# Altium PCB SysUprTestUUUp.PcbDoc (part 4 of 4)
Units mm, origin at the board's own origin, x right, y up, seen from the top; angles counter-clockwise.
Board outline 140.1 x 94.7 mm, 4 copper layers (Top Layer, Mid-Layer 1, Mid-Layer 2, Bottom Layer), stack 1.572 mm thick; 296 components, 295 nets, 1339 pads, 437 vias.
Unrouted connection lines stored in the file: 160.
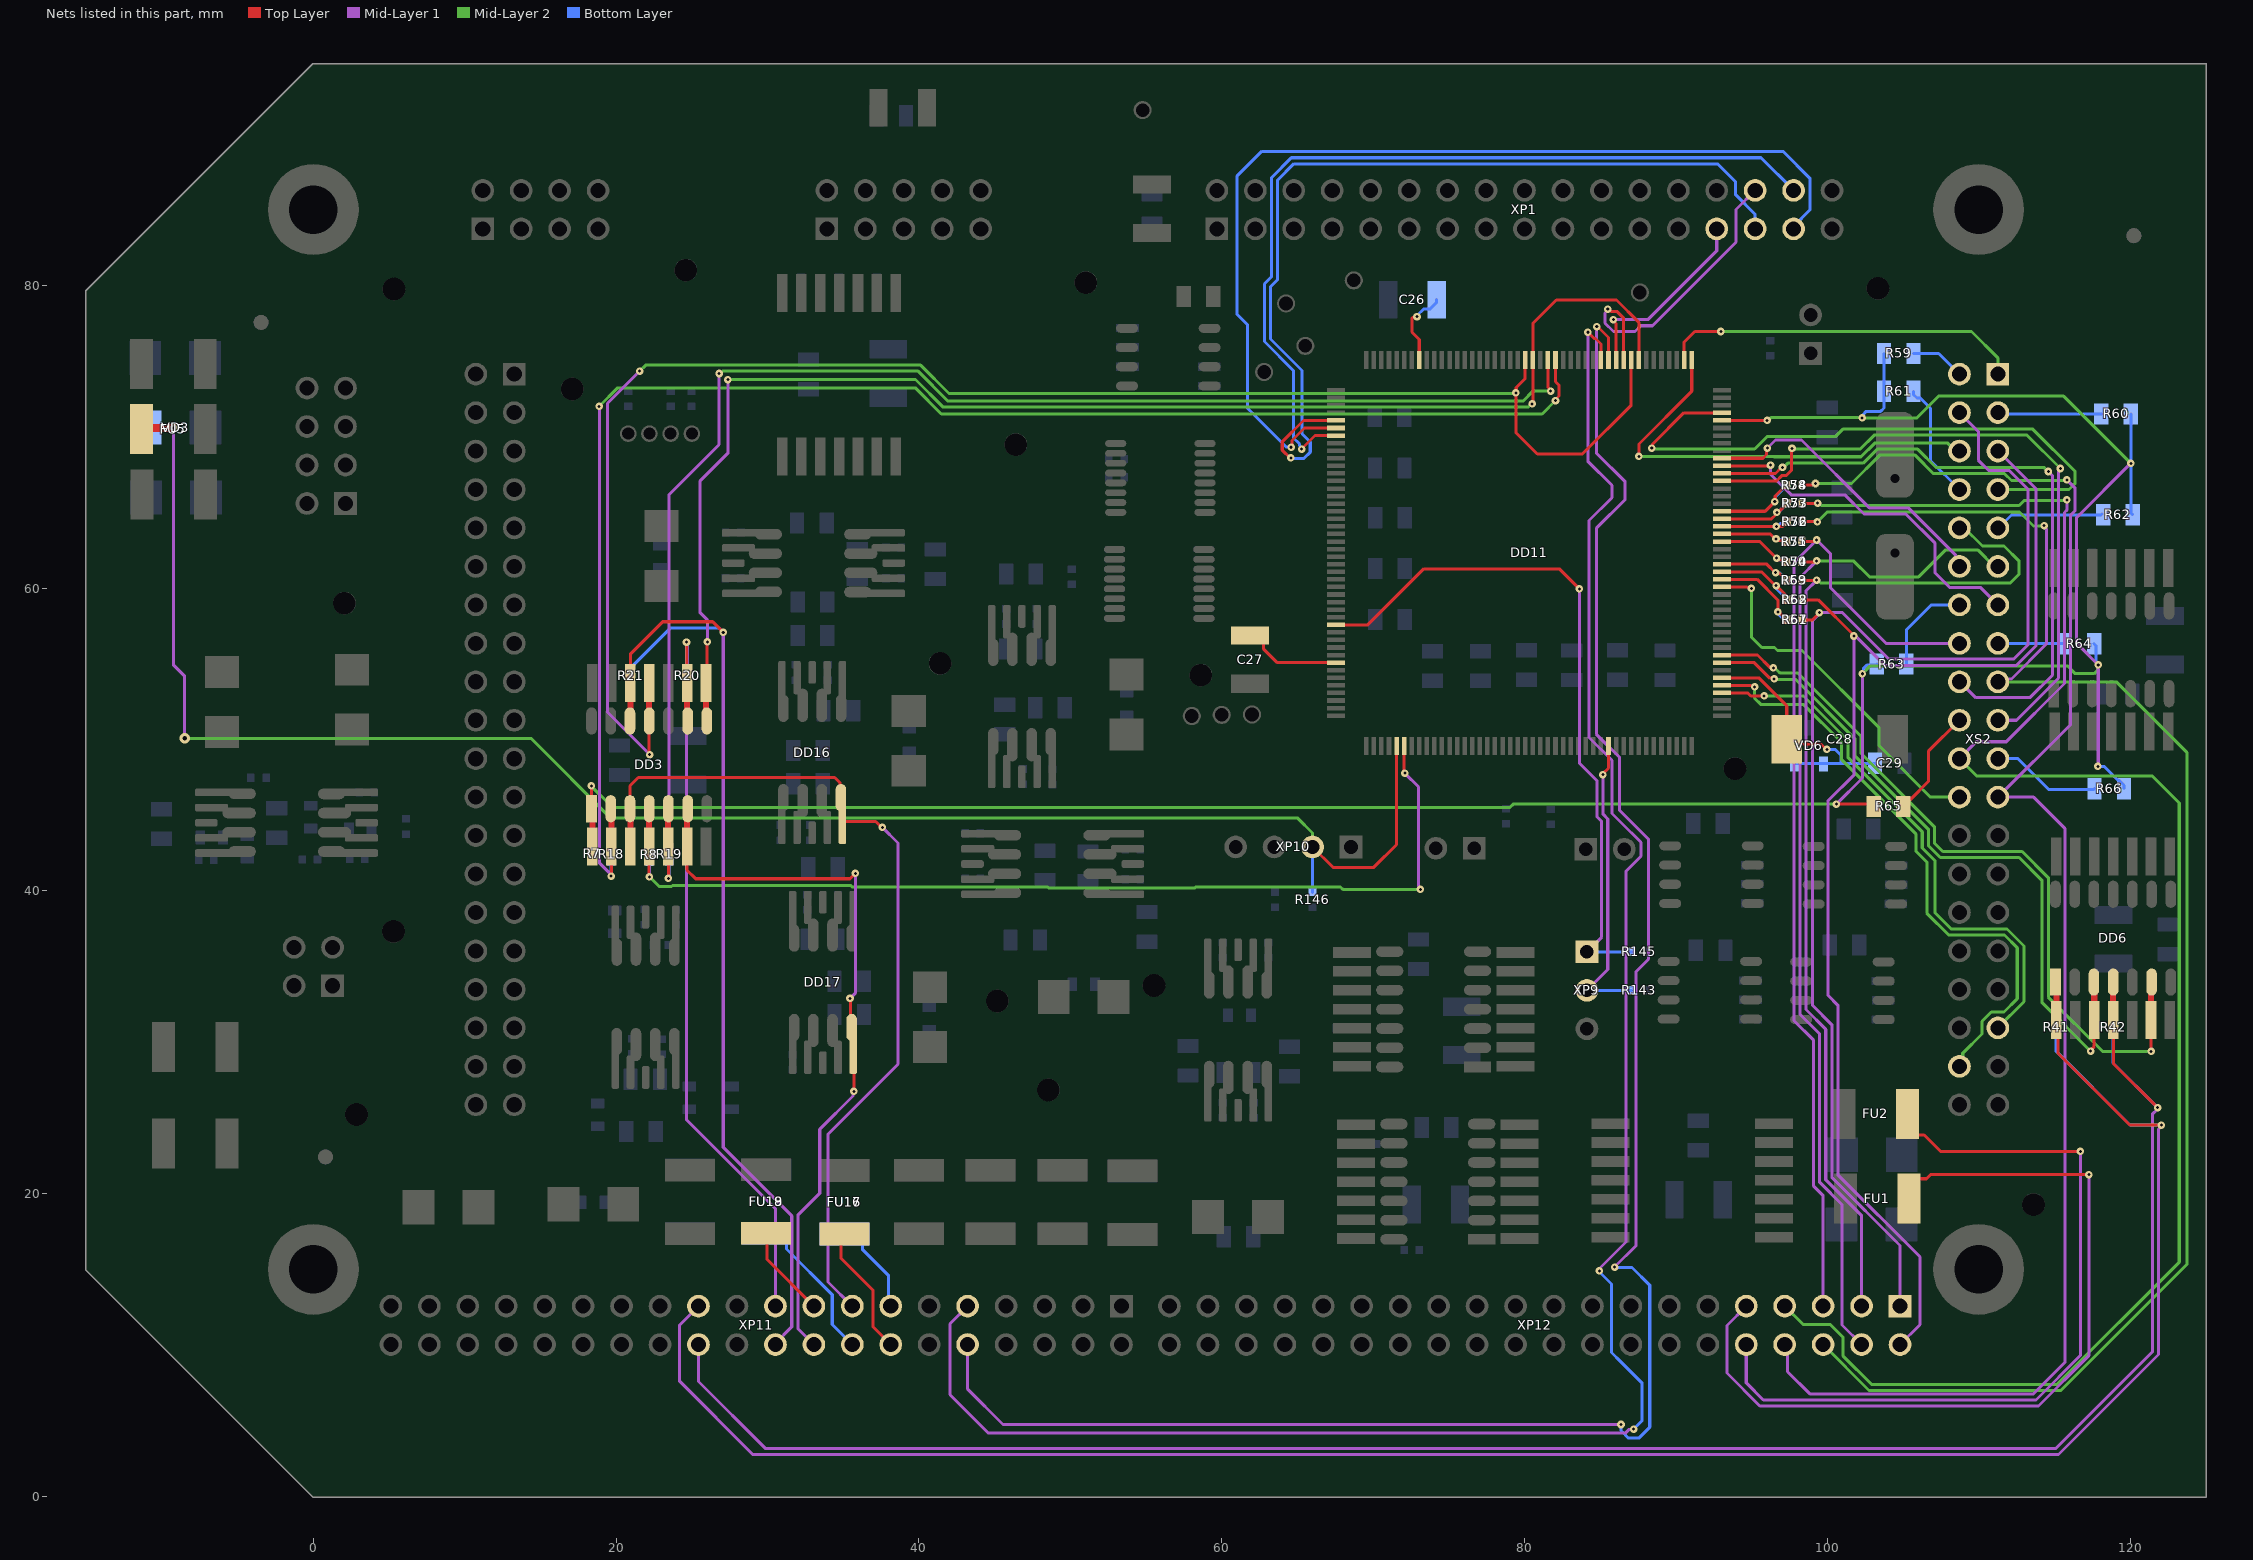
[diagram p6: the nets of this part, all layers, seen from the top]

## Via types
v1: diameter 0.5, hole 0.2, Top Layer to Bottom Layer, tented both sides, 406 vias
v2: diameter 0.7, hole 0.3, Top Layer to Bottom Layer, tented both sides, 27 vias
v3: diameter 1.1, hole 0.5, Top Layer to Bottom Layer, tented both sides, 4 vias

## Nets (pads, with @x,y where several pads share a name; then routed paths per layer and width w, separated by ;. In a path a pad name is that pad's centre, name@x,y a point inside that pad or via, vN(x,y) a via of type N, cw(c..) or ccw(c..) an arc to the next point about the centre after c; other vN are vias at no path point) (continued)
STCP_CS1: DD11.4 XS2.35 | length 36.3
  Top Layer w0.2: DD11.4@93.05,53.075 94.75,53.075 94.95,52.875 v1(95.826,52.875)
  Mid-Layer 2 w0.2: v1(95.826,52.875) 98.437,52.875 101.344,49.969 101.344,49.963 101.385,49.921 101.385,48.793 106.275,43.903 106.275,42.825 107.125,41.975 107.125,38.541 108.186,37.48 111.871,37.48 112.998,36.353 112.998,32.677 XS2.35@111.27,30.95
STCP_CS2: DD11.5 XS2.38 | length 40
  Top Layer w0.2: DD11.5@93.05,53.575 94.957,53.575
  Mid-Layer 2 w0.2: v1(95.198,53.475) 95.198,52.725 95.599,52.325 98.422,52.325 100.95,49.797 100.95,48.663 105.875,43.737 105.875,42.603 106.575,41.903 106.575,38.525 108.02,37.08 111.705,37.08 112.55,36.235 112.55,32.875 111.675,32 110.835,32 110.22,31.385 110.22,30.545 108.95,29.275 108.95,28.63 XS2.38@108.73,28.41
SVBP1_CP: DD6.3 DD11.8 | length 43.2
  Top Layer w0.2: DD11.8@93.05,55.075 95.182,55.075 96.211,54.046 96.448,54.046 v1(96.486,54.008) ; v1(117.394,29.409) 117.394,29.463 117.635,29.704 DD6.3@117.635,31.475
  Mid-Layer 2 w0.2: v1(96.486,54.008) 96.519,53.975 97.903,53.975 101.825,50.053 101.825,48.919 106.675,44.069 106.675,42.991 107.466,42.2 112.675,42.2 114.2,40.675 114.2,32.603 v1(117.394,29.409)
SVBP1_PCB: DD6.1 R41.1 XP11.23 | length 144.2
  Top Layer w0.2: DD6.1@115.135,31.475 115.235,31.375 115.235,29.265 119.972,24.528 v1(122.075,24.528)
  Mid-Layer 1 w0.2: XP11.23@25.44,12.57 24.2,11.33 24.2,7.6 29.025,2.775 115.275,2.775 121.875,9.375 121.875,24.261 122.075,24.461 v1(122.075,24.528)
  Bottom Layer w0.2: R41.1@115.125,30.475 115.125,29.4 119.997,24.528 v1(122.075,24.528)
SVBP2_CP: DD6.6 DD11.9 | length 46.9
  Top Layer w0.2: DD11.9@93.05,55.575 95.389,55.575 v1@96.202,54.762 ; DD6.6@121.385,31.475 121.393,31.467 121.393,29.408 v1(121.4,29.4)
  Mid-Layer 2 w0.2: v1(96.442,54.724) 96.523,54.724 96.659,54.588 96.684,54.588 96.897,54.375 98.069,54.375 102.225,50.219 102.225,49.084 107.075,44.234 107.075,43.156 107.631,42.6 112.875,42.6 114.6,40.875 114.6,32.981 118.181,29.4 v1(121.4,29.4)
SVBP2_PCB: DD6.4 R42.1 XP11.24 | length 132.3
  Top Layer w0.2: DD6.4@118.885,31.475 118.9,31.46 118.9,28.6 v1(121.825,25.675)
  Mid-Layer 1 w0.2: XP11.24@25.44,10.03 25.44,7.585 29.85,3.175 115.109,3.175 121.475,9.541 121.475,25.247 121.825,25.597 v1(121.825,25.675)
  Bottom Layer w0.2: R42.1@118.875,30.475 118.875,28.625 v1(121.825,25.675)
SWCLK: DD11.137 FU5.1 R146.1 VD3.KA2 XP10.2 | length 119.2
  Top Layer w0.2: XP10.2@66,42.9 67.35,41.55 70.05,41.55 71.55,43.05 DD11.137@71.55,49.575
  Top Layer w0.5: FU5.1@-11.35,70.496 -11.271,70.575 v1(-9.225,70.575)
  Mid-Layer 1 w0.2: v1(-9.225,70.575) -9.225,54.9 -8.5,54.175 v2(-8.5,50.075)
  Mid-Layer 2 w0.2: v2(-8.5,50.075) 14.375,50.075 19.65,44.8 65.024,44.8 66,43.824 XP10.2@66,42.9
  Bottom Layer w0.2: VD3.KA2@-11.075,70.6 VD3.KA2@-10.975,70.5 ; R146.1@66,39.9 XP10.2@66,42.9
  Bottom Layer w0.5: VD3.KA2@-11.075,70.6 -9.25,70.6 v1(-9.225,70.575)
TP_CS: DD11.54 XP1.30 | length 20.3
  Top Layer w0.2: v1(85.5,78.425) 85.581,78.425 85.728,78.278 86.103,78.278 86.55,77.831 DD11.54@86.55,75.075
  Mid-Layer 1 w0.2: v1(85.5,78.425) 85.5,78.344 85.325,78.169 85.325,77.5 85.875,76.95 87.3,76.95 87.678,77.328 88.453,77.328 93.975,82.85 93.975,85.005 XP1.30@95.24,86.27
TP_IRQ: DD11.55 XP1.27 | length 12.9
  Top Layer w0.2: v1(85.875,77.728) 85.875,77.647 86.05,77.472 DD11.55@86.05,75.075
  Mid-Layer 1 w0.2: v1(85.875,77.728) 88.146,77.728 92.7,82.282 XP1.27@92.7,83.73
TP_MISO: DD11.94 XP1.31 | length 66.3
  Top Layer w0.2: v1(64.588,69.302) 64.646,69.359 64.646,69.746 65.475,70.575 DD11.94@67.55,70.575
  Bottom Layer w0.2: v1(64.588,69.302) 64.557,69.333 64.242,69.333 61.7,71.875 61.7,77.4 61,78.1 61,87.2 62.65,88.85 97.075,88.85 98.85,87.075 98.85,84.975 97.78,83.905 XP1.31@97.78,83.73
TP_MOSI: DD11.95 XP1.32 | length 57.7
  Top Layer w0.2: v1(65.278,69.184) 66.169,70.075 DD11.95@67.55,70.075
  Bottom Layer w0.2: v1(65.278,69.184) 65.278,69.265 65.138,69.405 65.138,69.529 64.75,69.917 64.75,74.359 62.825,76.284 62.825,80.1 63.3,80.575 63.3,87.125 64.6,88.425 95.625,88.425 XP1.32@97.78,86.27
TP_SCK: DD11.93 XP1.29 | length 61
  Top Layer w0.2: v1(64.563,68.602) 64.51,68.602 64,69.112 64,69.675 65.4,71.075 DD11.93@67.55,71.075
  Bottom Layer w0.2: v1(64.563,68.602) 64.598,68.568 65.44,68.568 65.85,68.978 65.85,69.65 65.3,70.2 65.3,74.375 63.225,76.45 63.225,79.909 63.7,80.384 63.7,86.959 64.766,88.025 92.75,88.025 93.95,86.825 93.95,85.975 95.225,84.7 95.225,83.745 XP1.29@95.24,83.73
TRM_SCL_PCB: FU2.2 XP12.10 | length 52.7
  Top Layer w0.2: FU2.2@105.3,25.275 105.3,24.375 105.8,23.875 106.4,23.875 107.488,22.787 v1(116.725,22.787)
  Mid-Layer 1 w0.2: XP12.10@94.649,10.03 94.649,7.501 95.775,6.375 113.784,6.375 116.725,9.316 v1(116.725,22.787)
TRM_SDA_PCB: FU1.2 XP12.9 | length 56.1
  Top Layer w0.2: FU1.2@105.4,19.675 105.4,20.484 105.9,20.984 106.552,20.984 106.818,21.25 v1(117.275,21.25)
  Mid-Layer 1 w0.2: XP12.9@94.649,12.57 93.375,11.296 93.375,8.15 95.55,5.975 113.95,5.975 117.275,9.3 v1(117.275,21.25)
UART6_RX: DD11.57 XP11.9 | length 132.6
  Top Layer w0.2: v1(84.183,76.899) 84.599,76.482 84.686,76.482 85.05,76.118 DD11.57@85.05,75.075
  Mid-Layer 1 w0.2: XP11.9@43.22,12.57 42.05,11.4 42.05,6.725 44.6,4.175 86.649,4.175 86.879,4.406 87.168,4.406 v1(87.213,4.45) ; v1(84.183,76.899) 84.183,68.376 85.775,66.784 85.775,65.975 84.259,64.459 84.259,50.134 85.775,48.618 85.775,45.111 87.036,43.85 87.046,43.85 87.69,43.206 87.69,42.294 86.7,41.304 86.7,16.8 84.988,15.088 84.988,14.938 v1(84.95,14.9)
  Bottom Layer w0.2: v1(84.95,14.9) 84.95,14.846 85.05,14.746 85.05,14.725 85.75,14.025 85.75,9.5 86.363,8.888 87.775,7.475 87.775,5.012 v1(87.213,4.45)
UART6_TX: DD11.56 XP11.10 | length 130.7
  Top Layer w0.2: v1(84.774,77.274) 84.826,77.274 85.55,76.55 DD11.56@85.55,75.075
  Mid-Layer 1 w0.2: XP11.10@43.22,10.03 43.22,7.08 45.55,4.75 v1(86.375,4.75) ; v1(84.774,77.274) 84.75,77.25 84.75,68.925 86.65,67.025 86.65,65.85 84.75,63.95 84.75,50.35 86.275,48.825 86.275,45.318 87.243,44.35 87.253,44.35 88.19,43.413 88.19,35.484 87.375,34.669 87.375,16.575 v1(85.95,15.15)
  Bottom Layer w0.2: v1(85.95,15.15) 85.976,15.124 87.101,15.124 88.275,13.95 88.275,4.575 87.55,3.85 86.875,3.85 86.375,4.35 v1(86.375,4.75)
UIM_EN1_CP: DD3.2 DD11.63 R18.1 | length 101.9
  Top Layer w0.2: v1(19.675,40.975) 19.685,40.985 DD3.2@19.685,42.925 ; v1(82.05,72.385) 82.05,72.466 82.275,72.691 82.275,73.407 82.05,73.632 DD11.63@82.05,75.075
  Mid-Layer 1 w0.2: v1(18.875,72) 18.912,71.963 18.912,41.819 19.675,41.056 v1(19.675,40.975)
  Mid-Layer 2 w0.2: v1(18.875,72) 20.1,73.225 39.759,73.225 41.484,71.5 81.165,71.5 v1(82.05,72.385)
  Bottom Layer w0.2: v1(19.675,40.975) R18.1@19.675,41.925
UIM_EN2_CP: DD3.5 DD11.64 R19.1 | length 96.2
  Top Layer w0.2: DD3.5@23.435,42.925 23.456,42.904 v1(23.456,40.831) ; DD11.64@81.55,75.075 81.55,73.261 81.725,73.086 v1(81.725,73.005)
  Mid-Layer 1 w0.2: v1(23.456,40.831) 23.5,40.875 23.5,66.175 26.8,69.475 v1(26.8,74.175)
  Mid-Layer 2 w0.2: v1(26.8,74.175) 26.881,74.175 27.031,74.325 39.953,74.325 41.928,72.35 79.9,72.35 80.555,73.005 v1(81.725,73.005)
  Bottom Layer w0.2: v1(23.456,40.831) 23.478,40.853 23.478,41.903 R19.1@23.5,41.925
UIM_IN1_CP: DD3.8 DD11.52 DD11.66 | length 91.1
  Top Layer w0.2: DD3.8@25.935,53.725 26,53.79 26,56.425 v1(26.025,56.45) ; v1(80.5,72.172) 80.55,72.222 DD11.66@80.55,75.075 80.55,77.475 82.1,79.025 86.075,79.025 87.55,77.55 DD11.52@87.55,75.075
  Mid-Layer 1 w0.2: v1(26.025,56.45) 26.025,57.9 25.525,58.4 25.525,67.05 27.374,68.899 v1(27.374,73.775)
  Mid-Layer 2 w0.2: v1(27.374,73.775) 39.775,73.775 41.6,71.95 80.233,71.95 80.455,72.172 v1(80.5,72.172)
UIM_IN1_PCB: DD3.9 R20.1 XP11.19 | length 50.7
  Top Layer w0.2: v1(24.65,56.425) 24.685,56.39 DD3.9@24.685,53.725
  Mid-Layer 1 w0.2: v1(24.65,56.425) 24.65,24.875 30.52,19.005 XP11.19@30.52,12.57
  Bottom Layer w0.2: v1(24.65,56.425) 24.65,56.344 24.713,56.281 24.713,54.738 R20.1@24.7,54.725
UIM_IN2_CP: DD3.11 DD11.53 DD11.67 | length 106
  Top Layer w0.2: DD3.11@22.185,51.225 22.185,49.036 v1(22.217,49.004) ; DD11.67@80.05,75.075 80.05,73.84 79.456,73.246 79.456,72.931 v1(79.425,72.9) 79.425,70.275 80.85,68.85 83.825,68.85 87.05,72.075 DD11.53@87.05,75.075
  Mid-Layer 1 w0.2: v1(21.55,74.325) 19.425,72.2 19.425,51.796 21.809,49.412 v1(22.217,49.004)
  Mid-Layer 2 w0.2: v1(21.55,74.325) 21.95,74.725 40.119,74.725 41.994,72.85 79.375,72.85 v1(79.425,72.9)
UIM_IN2_PCB: DD3.12 R21.1 XP11.20 | length 65.9
  Top Layer w0.2: DD3.12@20.935,53.725 20.935,55.635 23.075,57.775 26.375,57.775 v1(27.075,57.075)
  Mid-Layer 1 w0.2: v1(27.075,57.075) 27.075,23.06 31.6,18.535 31.6,11.2 30.52,10.12 XP11.20@30.52,10.03
  Bottom Layer w0.2: R21.1@20.975,54.725 21.125,54.875 21.125,54.9 23.6,57.375 26.775,57.375 v1(27.075,57.075)
UIM_OUT1_CP: DD3.1 DD11.40 R7.1 R59.1 R60.1 R61.1 R62.1 R63.1 R64.1 R65.1 R66.1 | length 188.3
  Top Layer w0.2: v1(18.362,46.937) 18.368,46.93 18.368,45.432 DD3.1@18.375,45.425 18.435,45.365 DD3.1@18.435,42.925 ; DD11.40@93.05,71.075 v1(96.025,71.075) ; v1(100.6,45.725) 102.925,45.725 R65.1@103.075,45.575
  Mid-Layer 1 w0.2: v1(100.6,45.725) 102.325,47.45 v1(102.325,54.342) ; v1@102.275,71.225 v1(102.3,71.25) ; v1(117.875,48.225) 117.9,48.25 v1(117.9,54.925) 116.475,56.35 116.475,64.662 v1(120.05,68.238)
  Mid-Layer 2 w0.2: v1(18.362,46.937) 18.362,46.913 19.775,45.5 79.028,45.5 79.253,45.725 v1(100.6,45.725) ; v1(96.025,71.075) 96.106,71.075 96.306,71.275 102.275,71.275 v1(102.3,71.25) 105.925,71.25 107.35,72.675 115.613,72.675 v1(120.05,68.238) ; v1(102.325,54.342) 102.843,54.86 115.865,54.86 116.375,54.35 117.631,54.35 117.864,54.583 117.864,54.889 v1(117.9,54.925)
  Bottom Layer w0.2: v1(18.362,46.937) 18.362,46.14 18.415,46.087 R7.1@18.415,43.01 ; v1(102.3,71.25) 102.338,71.288 102.338,71.439 102.576,71.677 103.527,71.677 103.75,71.9 R61.1@103.75,73 R59.1@103.75,75.5 ; v1(102.325,54.342) 102.382,54.399 102.382,54.674 102.617,54.909 103.209,54.909 R63.1@103.275,54.975 ; R64.1@117.625,56.325 117.75,56.2 117.75,55.156 117.9,55.006 v1(117.9,54.925) ; v1(117.875,48.225) 118.281,48.225 119.206,47.3 119.275,47.3 119.6,46.975 R66.1@119.6,46.75 ; R60.1@120.05,71.5 v1(120.05,68.238) 120.05,64.975 R62.1@120.175,64.85
UIM_OUT1_PCB: DD3.3 DD16.4 XP11.15 | length 54.2
  Top Layer w0.2: DD3.3@20.915,45.425 20.915,46.94 21.469,47.494 34.431,47.494 34.773,47.152 34.773,46.235 DD16.4@34.85,46.159 ; DD16.4@34.95,44.584 37.146,44.584 37.529,44.2 v1(37.583,44.2)
  Mid-Layer 1 w0.2: XP11.15@35.6,12.57 34,14.17 34,23.925 38.625,28.55 38.625,43.158 v1(37.583,44.2)
UIM_OUT1_PCB+: FU16.2 XP11.13 | length 6.4
  Bottom Layer w0.2: FU16.2@35.075,17.329 35.682,17.329 36.282,16.729 36.282,16.293 37.999,14.576 37.999,12.711 XP11.13@38.14,12.57
UIM_OUT1_PCB-: FU17.2 XP11.14 | length 8.8
  Top Layer w0.2: FU17.2@35.075,17.329 34.85,17.104 34.85,15.725 36.975,13.6 36.975,11.195 XP11.14@38.14,10.03
UIM_OUT2_CP: DD3.4 DD11.138 R8.1 | length 64.3
  Top Layer w0.2: DD3.4@22.185,42.925 22.185,40.94 v1(22.2,40.925) ; DD11.138@72.05,49.575 72.05,47.825 v1(72.1,47.775)
  Mid-Layer 1 w0.2: v1(72.1,47.775) 73,46.875 73,40.306 73.125,40.181 v1(73.125,40.1)
  Mid-Layer 2 w0.2: v1(22.2,40.925) 22.844,40.281 23.654,40.281 23.722,40.35 35.497,40.35 35.597,40.25 48.528,40.25 48.603,40.175 58.19,40.175 58.265,40.25 67.853,40.25 68.003,40.1 v1(73.125,40.1)
  Bottom Layer w0.2: v1(22.2,40.925) R8.1@22.2,41.9
UIM_OUT2_PCB: DD3.6 DD17.4 XP11.18 | length 44.8
  Top Layer w0.2: DD3.6@24.685,42.925 24.685,41.365 25.25,40.8 35.45,40.8 v1(35.8,41.15) ; v1(35.45,32.9) 35.488,32.862 35.488,31.046 DD17.4@35.554,30.979 ; DD17.4@35.654,29.404 35.7,29.359 v1(35.7,26.75)
  Mid-Layer 1 w0.2: XP11.18@33.06,10.03 32,11.09 32,18.575 33.45,20.025 33.45,24.25 35.643,26.443 35.643,26.693 v1(35.7,26.75) ; v1(35.45,32.9) 35.825,33.275 35.825,41.125 v1(35.8,41.15)
UIM_OUT2_PCB+: FU18.2 XP11.16 | length 10.1
  Bottom Layer w0.2: FU18.2@29.925,17.375 30.655,17.375 31.255,16.775 31.255,16.345 34.275,13.325 34.275,11.355 XP11.16@35.6,10.03
UIM_OUT2_PCB-: FU19.2 XP11.17 | length 6.1
  Top Layer w0.2: FU19.2@29.9,17.375 29.975,17.3 29.975,15.655 XP11.17@33.06,12.57
USART1_RX: DD11.165 R143.1 XP9.2 | length 20
  Top Layer w0.2: v1(85.175,47.678) 85.175,47.732 85.55,48.107 DD11.165@85.55,49.575
  Mid-Layer 1 w0.2: XP9.2@84.125,33.43 85.5,34.805 85.5,44.749 85.195,45.054 85.195,47.658 v1(85.175,47.678)
  Bottom Layer w0.2: XP9.2@84.125,33.43 84.13,33.425 R143.1@87.075,33.425
USART1_TX: DD11.120 R145.1 XP9.1 | length 46.1
  Top Layer w0.2: DD11.120@67.55,57.575 69.65,57.575 73.35,61.275 82.3,61.275 v1(83.625,59.95)
  Mid-Layer 1 w0.2: v1(83.625,59.95) 83.625,48.45 84.795,47.28 84.795,44.888 85.1,44.584 85.1,36.945 XP9.1@84.125,35.97
  Bottom Layer w0.2: XP9.1@84.125,35.97 R145.1@87.075,35.97
VBAT: C28.2 C29.2 DD11.6 VD6.K1 VD6.K2 | length 17.1
  Top Layer w0.2: DD11.6@93.05,54.075 95.475,54.075 97.325,52.225 C28.2@97.325,50.025 97.65,49.7 99.589,49.7 99.946,49.344 v1(99.975,49.344)
  Bottom Layer w0.2: VD6.K2@97.85,48.375 97.9,48.425 99.75,48.425 100.9,48.425 ; v1(99.975,49.344) 100.531,49.344 100.9,48.975 100.9,48.425 ; C29.2@103.15,48.425 100.9,48.425
VCAP_1: C26.2 DD11.81 | length 5.2
  Top Layer w0.2: v1(72.9,77.925) 72.843,77.868 72.618,77.868 72.575,77.824 72.575,76.901 73.05,76.426 DD11.81@73.05,75.075
  Bottom Layer w0.2: v1(72.9,77.925) 72.9,78 73.326,78.426 73.75,78.426 74.2,78.876 C26.2@74.2,79.05
VCAP_2: C27.2 DD11.125 | length 6.7
  Top Layer w0.2: C27.2@61.875,56.875 62.299,56.875 62.749,56.425 62.749,56.001 63.675,55.075 DD11.125@67.55,55.075
VOLT1_ADC: DD11.19 R51.2 R67.1 | length 6.8
  Top Layer w0.2: DD11.19@93.05,60.575 95.368,60.575 96.737,59.206 v1(96.737,58.432) 96.768,58.432 97.175,58.025 97.25,58.025 97.35,57.925 R51.2@97.35,57.9
  Bottom Layer w0.2: v1(96.737,58.432) 96.776,58.394 96.776,58.272 97.023,58.025 97.25,58.025 97.35,57.925 R67.1@97.35,57.9
VOLT1_EN: DD11.46 XS2.1 | length 24
  Top Layer w0.2: DD11.46@90.55,75.075 90.55,76.25 91.25,76.95 v1(92.975,76.95)
  Mid-Layer 2 w0.2: v1(92.975,76.95) 109.525,76.95 111.27,75.205 XS2.1@111.27,74.13
VOLT1_PCB: R51.1 XP12.1 XS2.4 | length 83.2
  Top Layer w0.2: R51.1@98.35,57.9 99.025,57.9 99.472,58.347 v1(99.472,58.375)
  Mid-Layer 1 w0.2: XP12.1@104.809,12.57 104.809,16.572 100.3,21.081 100.3,31.164 99.025,32.439 99.025,57.847 99.472,58.294 v1(99.472,58.375) 101,58.375 104.075,55.3 112.3,55.3 113.275,56.275 113.275,66.509 112.009,67.775 110.65,67.775 109.975,68.45 109.975,70.345 XS2.4@108.73,71.59
VOLT1_UIM: R59.2 XS2.2 | length 3.6
  Bottom Layer w0.2: R59.2@105.7,75.5 107.36,75.5 XS2.2@108.73,74.13
VOLT2_ADC: DD11.20 R52.2 R68.1 | length 6.4
  Top Layer w0.2: DD11.20@93.05,61.075 95.663,61.075 96.576,60.163 v1(96.629,60.163) ; v1@96.615,60.163 v1(96.629,60.163) ; R52.2@97.35,59.225 97.25,59.325 97.25,59.542 v1(96.629,60.163)
  Bottom Layer w0.2: v1(96.629,60.163) 96.664,60.127 96.664,59.936 97.35,59.25 R68.1@97.35,59.225
VOLT2_EN: DD11.45 XS2.6 | length 29.6
  Top Layer w0.2: v1(87.559,68.7) 87.559,69.511 91.05,73.003 DD11.45@91.05,75.075
  Mid-Layer 2 w0.2: v1(87.559,68.7) 96.453,68.7 96.478,68.675 102.235,68.675 103.135,69.575 107.963,69.575 108.488,69.05 XS2.6@108.73,69.05
VOLT2_PCB: R52.1 XP12.2 XS2.5 | length 82.3
  Top Layer w0.2: R52.1@98.35,59.225 99.4,59.225 101.761,56.864 v1(101.761,56.836)
  Mid-Layer 1 w0.2: v1(101.761,56.836) 101.775,56.822 101.775,47.678 100.05,45.953 100.05,33.101 100.7,32.451 100.7,21.247 106.125,15.822 106.125,11.346 XP12.2@104.809,10.03 ; v1@101.775,56.85 101.85,56.85 103.8,54.9 112.5,54.9 113.775,56.175 113.775,66.575 111.3,69.05 XS2.5@111.27,69.05
VOLT2_UIM: R60.2 XS2.3 | length 6.9
  Bottom Layer w0.2: XS2.3@111.27,71.59 111.36,71.5 R60.2@118.1,71.5
VOLT3_ADC: DD11.21 R53.2 R69.1 | length 5.7
  Top Layer w0.2: DD11.21@93.05,61.575 96.004,61.575 96.555,61.024 v1@96.603,61.024 ; v1(96.589,61.024) 96.627,60.986 96.85,60.986 97.202,60.634 97.227,60.634 97.327,60.534 R53.2@97.327,60.509
  Bottom Layer w0.2: v1(96.589,61.024) 96.627,60.986 96.885,60.986 97.325,60.546 R69.1@97.325,60.521
VOLT3_EN: DD11.41 XS2.7 | length 41.5
  Top Layer w0.2: v1(88.407,69.25) 88.465,69.307 88.465,69.515 90.525,71.575 DD11.41@93.05,71.575
  Mid-Layer 2 w0.2: v1(88.407,69.25) 88.465,69.193 95.206,69.193 96.013,70 100.525,70 101.025,70.5 113.578,70.5 116.375,67.703 116.375,66.922 115.963,66.51 XS2.7@111.27,66.51
VOLT3_PCB: R53.1 XP12.3 XS2.10 | length 70.1
  Top Layer w0.2: R53.1@98.327,60.509 99.284,60.509 v1(99.3,60.525)
  Mid-Layer 1 w0.2: v1(99.3,60.525) 98.6,59.825 98.6,32.157 99.9,30.857 99.9,20.916 102.269,18.546 XP12.3@102.269,12.57
  Mid-Layer 2 w0.2: v1(99.3,60.525) 99.381,60.525 99.566,60.34 108.129,60.34 108.139,60.35 112.1,60.35 112.675,60.925 112.675,61.775 111.675,62.775 110.25,62.775 109.055,63.97 XS2.10@108.73,63.97
VOLT3_UIM: R61.2 XS2.8 | length 7.9
  Bottom Layer w0.2: R61.2@105.7,73 105.7,72.775 105.925,72.55 106.15,72.55 106.825,71.875 106.825,68.415 XS2.8@108.73,66.51
VOLT4_ADC: DD11.24 R54.2 R70.1 | length 5.7
  Top Layer w0.2: DD11.24@93.05,63.075 95.55,63.075 v1(96.65,61.975) 96.704,61.975 96.829,61.85 97.225,61.85 97.325,61.75 R54.2@97.325,61.725
  Bottom Layer w0.2: v1(96.65,61.975) 96.672,61.997 96.742,61.997 96.89,61.85 97.225,61.85 97.325,61.75 R70.1@97.325,61.725
VOLT4_EN: DD11.35 XS2.12 | length 20.1
  Top Layer w0.2: DD11.35@93.05,68.575 95.75,68.575 95.993,68.818 95.993,69.193 v1(96.05,69.25)
  Mid-Layer 1 w0.2: v1(96.05,69.25) 96.575,69.775 98.3,69.775 102.775,65.3 105.35,65.3 108.481,62.169 108.481,61.679 XS2.12@108.73,61.43
VOLT4_PCB: R54.1 XP12.4 XS2.11 | length 68.5
  Top Layer w0.2: R54.1@98.325,61.725 99.225,61.725 v1(99.3,61.8)
  Mid-Layer 1 w0.2: v1(99.3,61.8) 98.2,60.7 98.2,31.85 99.5,30.55 99.5,20.75 100.975,19.275 100.975,11.324 XP12.4@102.269,10.03
  Mid-Layer 2 w0.2: v1(99.3,61.8) 101.725,61.8 102.785,60.74 106.04,60.74 107.825,62.525 109.934,62.525 111.029,61.43 XS2.11@111.27,61.43
VOLT4_UIM: R62.2 XS2.9 | length 7.3
  Bottom Layer w0.2: XS2.9@111.27,63.97 111.32,63.97 112.175,64.825 118.067,64.825 R62.2@118.142,64.9
VOLT5_ADC: DD11.25 R55.2 R71.1 | length 5.3
  Top Layer w0.2: DD11.25@93.05,63.575 96.234,63.575 96.559,63.25 96.667,63.25 96.766,63.152 97.236,63.152 R55.2@97.325,63.062
  Bottom Layer w0.2: v1(96.613,63.25) 96.667,63.25 96.726,63.191 97.225,63.191 97.325,63.091 R71.1@97.325,63.066
VOLT5_EN: DD11.34 XS2.13 | length 23.6
  Top Layer w0.2: DD11.34@93.05,68.075 96.2,68.075 v1(96.25,68.125)
  Mid-Layer 1 w0.2: v1(96.25,68.125) 96.25,67.525 97.612,66.163 101.163,66.163 102.425,64.9 105.184,64.9 107.125,62.959 107.125,61 108.075,60.05 110.11,60.05 XS2.13@111.27,58.89
VOLT5_PCB: R55.1 XP12.5 XS2.16 | length 66.6
  Top Layer w0.2: R55.1@98.325,63.062 99.133,63.062 99.246,63.175 v1(99.3,63.175)
  Mid-Layer 1 w0.2: XP12.5@99.729,12.57 99.729,19.863 99.1,20.492 99.1,30.125 97.8,31.425 97.8,61.675 v1(99.3,63.175) 100.225,62.25 100.225,60 103.875,56.35 XS2.16@108.73,56.35
VOLT5_UIM: R63.2 XS2.14 | length 6.4
  Bottom Layer w0.2: R63.2@105.225,54.975 105.225,57.225 106.89,58.89 XS2.14@108.73,58.89
VOLT6_ADC: DD11.26 R56.2 R72.1 | length 5.2
  Top Layer w0.2: DD11.26@93.05,64.075 v1@96.551,64.075 ; v1(96.643,64.072) 97.051,64.072 97.35,64.371 R56.2@97.35,64.396
  Bottom Layer w0.2: v1(96.643,64.072) 96.697,64.072 96.896,64.271 97.25,64.271 97.35,64.371 R72.1@97.35,64.396
VOLT6_EN: DD11.33 XS2.18 | length 43.6
  Top Layer w0.2: DD11.33@93.05,67.575 96.577,67.575 96.977,67.975 v1(97.044,67.975)
  Mid-Layer 1 w0.2: XS2.18@108.73,53.81 108.765,53.81 109.815,52.76 113.385,52.76 114.875,54.25 114.875,60.006 114.875,67.425 v1(114.6,67.7)
  Mid-Layer 2 w0.2: v1(97.044,67.975) 97.125,67.975 97.4,68.25 102.376,68.25 103.301,69.175 105.975,69.175 107.19,67.96 111.871,67.96 111.881,67.95 114.333,67.95 114.583,67.7 v1(114.6,67.7)
VOLT6_PCB: R56.1 XP12.6 XS2.17 | length 105.7
  Top Layer w0.2: R56.1@98.35,64.396 99.329,64.396 v1(99.35,64.375)
  Mid-Layer 1 w0.2: XS2.17@111.27,53.81 111.455,53.995 112.17,53.995 114.475,56.3 114.475,63.894 114.325,64.044 v1(114.325,64.125)
  Mid-Layer 2 w0.2: v1(99.35,64.375) 99.995,65.02 112.705,65.02 113.625,64.1 114.3,64.1 v1(114.325,64.125) ; XP12.6@99.729,10.03 102.759,7 115.425,7 123.75,15.325 123.75,49.15 119.09,53.81 XS2.17@111.27,53.81
VOLT6_UIM: R64.2 XS2.15 | length 4.4
  Bottom Layer w0.2: XS2.15@111.27,56.35 111.295,56.325 R64.2@115.675,56.325
VOLT7_ADC: DD11.27 R57.2 R73.1 | length 5.7
  Top Layer w0.2: DD11.27@93.05,64.575 96.316,64.575 96.575,64.834 96.575,64.846 96.675,64.946 v1(96.675,65) 96.713,65.038 96.788,65.038 97.225,65.475 97.25,65.475 97.35,65.575 R57.2@97.35,65.6
  Bottom Layer w0.2: v1(96.675,65) 96.713,65.038 96.788,65.038 97.225,65.475 97.25,65.475 97.35,65.575 R73.1@97.35,65.6
VOLT7_EN: DD11.32 XS2.19 | length 44.4
  Top Layer w0.2: DD11.32@93.05,67.075 96.642,67.075 96.992,67.425 97.271,67.425 97.65,67.804 97.65,69.203 v1(97.672,69.225)
  Mid-Layer 1 w0.2: XS2.19@111.27,51.27 112.495,51.27 115.275,54.05 115.275,67.694 115.4,67.819 v1(115.4,67.9)
  Mid-Layer 2 w0.2: v1(97.672,69.225) 97.697,69.2 102.195,69.2 103.095,70.1 113.2,70.1 v1(115.4,67.9)
VOLT7_PCB: R57.1 XP12.7 XS2.22 | length 117.2
  Top Layer w0.2: R57.1@98.35,65.6 99.35,65.6 v1(99.363,65.613)
  Mid-Layer 1 w0.2: XS2.22@108.73,48.73 109.85,49.85 111.825,49.85 115.675,53.7 115.675,64.994 115.825,65.144 v1(115.825,65.828)
  Mid-Layer 2 w0.2: XP12.7@97.189,12.57 98.409,11.35 100.2,11.35 101.025,10.525 101.025,9.3 102.925,7.4 115.175,7.4 123.25,15.475 123.25,45.8 121.45,47.6 109.86,47.6 XS2.22@108.73,48.73 ; v1(99.363,65.613) 99.444,65.613 99.606,65.45 112.675,65.45 112.995,65.77 115.768,65.77 v1(115.825,65.828)
VOLT7_UIM: R65.2 XS2.20 | length 7.4
  Top Layer w0.2: R65.2@105.025,45.575 105.025,45.8 105.25,46.025 105.475,46.025 106.675,47.225 106.675,49.215 XS2.20@108.73,51.27
VOLT8_ADC: DD11.28 R58.2 R74.1 | length 6.6
  Top Layer w0.2: DD11.28@93.05,65.075 95.901,65.075 96.564,65.738 96.564,66.088 97.159,66.684 97.225,66.684 97.325,66.784 R58.2@97.325,66.809
  Bottom Layer w0.2: v1(96.532,65.706) 96.571,65.744 96.571,66.025 97.325,66.779 R74.1@97.325,66.804
VOLT8_EN: DD11.18 XS2.24 | length 24
  Top Layer w0.2: DD11.18@93.05,60.075 94.709,60.075 94.77,60.013 94.945,60.013 v1(94.983,59.975)
  Mid-Layer 2 w0.2: v1(94.983,59.975) 94.983,56.767 95.675,56.075 96.515,56.075 96.716,55.875 98.331,55.875 103.425,50.781 103.425,49.581 106.816,46.19 XS2.24@108.73,46.19
VOLT8_PCB: R58.1 XP12.8 XS2.23 | length 104.5
  Top Layer w0.2: R58.1@98.325,66.809 99.074,66.809 99.171,66.906 v1(99.225,66.906)
  Mid-Layer 1 w0.2: XP12.8@97.189,10.03 97.381,9.839 97.381,8.244 98.85,6.775 113.618,6.775 115.695,8.852 115.695,44.13 113.635,46.19 XS2.23@111.27,46.19 116.075,50.995 116.075,64.828 116.375,65.128 116.375,66.6 v1(115.825,67.15)
  Mid-Layer 2 w0.2: v1(99.225,66.906) 101.598,66.906 103.467,68.775 104.631,68.775 105.809,68.775 107.024,67.56 111.705,67.56 112.165,67.1 115.775,67.1 v1(115.825,67.15)
VOLT8_UIM: R66.2 XS2.21 | length 7.2
  Bottom Layer w0.2: XS2.21@111.27,48.73 112.595,48.73 114.625,46.7 117.6,46.7 R66.2@117.65,46.75
pads on no net: DA1.3 DA2.3 DA3.3 DA4.3 DA5.3 DD10.9 DD11.51 DD11.58 DD11.59 DD11.60 DD12.9 DD12.10 DD13.9 DD13.10 DD14.9 DD14.10 DD15.9 DD15.10 DD16.9 DD16.10 DD17.9 DD17.10 DD18.9 DD18.10 DD19.9 DD19.10 REPER1.REPER1 REPER2.REPER1 REPER3.REPER1 REPER4.REPER1 REPER5.REPER1 REPER6.REPER1 XP11.11 XP11.12 XP11.25 XP11.26 XP11.27 XP11.28 XP11.29 XP11.30 XP11.31 XP11.32 XP11.33 XP11.34 XP12.34 XP12.35 XP12.36 XP12.37 XP12.38 XP12.39 XP12.40 XS2.25 XS2.26 XS2.27 XS2.28 XS2.29 XS2.30 XS2.31 XS2.32

## Polygon pours and split planes (outlines as drawn)
no net on Top Overlay "NONET_L-01_P-001" (solid): 113.575,3.65 113.575,6.65 120.575,6.65 120.575,3.65
GND on Top Layer "NONET_L-01_P-001" (solid, pour order 1): -14.955,15.023 0.023,0.05 124.95,0.05 124.95,94.55 0.023,94.555 -14.955,79.577
GND on Bottom Layer "NONET_L-01_P-001" (solid, pour order 0): -14.955,15.023 0.023,0.05 124.95,0.05 124.95,94.55 0.023,94.555 -14.955,79.577

## Keep-outs
Keep-Out Layer:
  lines w0.1: 42,-0.1 44,-0.1 ; 53,-0.1 44,-0.1 ; 125,94.575 125,3 125,0 121,0 0,0 -15,15 -15,79.6 ; 125,94.6 0,94.6 ; -15,79.6 0,94.6 ; -15,79.6 0,94.6 ; 44,-0.1 44,-0.1

## Silkscreen, mask and mechanical layers (free items; w line width, h text height)
Top Overlay:
  lines w0.15: 1.125,70.9 1.475,70.9 ; 1.15,73.4 1.475,73.4 1.475,65.85 1.825,65.85 ; 1.475,68.35 1.8,68.35
  lines w0.2: -6,15 ccw(c0,15) 0,9 ; -5.9,84.825 cw(c0.1,84.825) 0.1,90.825 ; -5,15 ccw(c0,15) 0,10 ; -4.9,84.825 cw(c0.1,84.825) 0.1,89.825 ; -4,15 ccw(c0,15) 0,11 ; -3.9,84.825 cw(c0.1,84.825) 0.1,88.825 ; 110,9 ccw(c110,15) 116,15 ; 110,10 ccw(c110,15) 115,15 ; 110,11 ccw(c110,15) 114,15 ; 110,89 cw(c110,85) 114,85 ; 110,90 cw(c110,85) 115,85 ; 110,91 cw(c110,85) 116,85
  lines w0.25: 20.725,72.375 20.725,77.425 ; 22.125,73.375 22.125,78.6 ; 23.5,73.55 23.5,77.4 ; 24.975,73.075 24.975,76.525 ; 113.75,73.975 117.475,73.975 ; 113.75,75.7 112.025,75.7 116.125,71.6 123.95,71.6 121.588,73.962 ; 115.325,77.85 115.325,80.175 119.875,75.625 119.875,67.85 117.475,70.25 ; 117.45,74 119.863,71.587 ; 117.475,71.6 117.475,70.25 ; 117.475,74 117.475,77.881 ; 119.913,73.962 121.575,73.962 121.575,77.85 113.75,77.85 113.75,70.25 117.475,70.25 ; 119.925,69.9 121.625,69.9 121.625,71.575
  text "GND" at 16.733,88.3 h1.5 r90
  text "GND" at 11.708,88.25 h1.5 r90
  text "+48V" at 14.158,88.25 h1.5 r90
  text "+48V" at 19.108,88.225 h1.5 r90
  text "SHCP" at 34.533,88.225 h1.5 r90
  text "STCP" at 44.608,88.225 h1.5 r90
  text "Not_Used" at 60.109,88.2 h1.5 r90
  text "LCD_D2" at 65.222,88.135 h1.5 r90
  text "LCD_D4" at 67.722,88.135 h1.5 r90
  text "LCD_D6" at 70.434,88.15 h1.5 r90
  text "NRST" at 88.057,88.14 h1.5 r90
  text "LCD_D8" at 72.834,88.125 h1.5 r90
  text "LCD_D10" at 75.409,88.125 h1.5 r90
  text "LCD_D12" at 77.909,88.125 h1.5 r90
  text "LCD_D14" at 80.459,88.125 h1.5 r90
  text "+3.3V" at 90.683,88.115 h1.5 r90
  text "+3.3V" at 93.132,88.115 h1.5 r90
  text "LCD_D0" at 62.772,88.093 h1.5 r90
  text "LCD_CS" at 83.059,88.1 h1.5 r90
  text "+5V" at 36.908,88.075 h1.5 r90
  text "DS" at 42.258,88.075 h1.5 r90
  text "LCD_WR" at 85.484,88.075 h1.5 r90
  text "+3.3V" at 100.808,88.075 h1.5 r90
  text "GND" at 37.575,88.042 h1.5
  text "TP_CS" at 95.734,88.05 h1.5 r90
  text "TP_MOSI" at 98.259,88.05 h1.5 r90
  text "LCD" at 105.158,83.975 h1.5 r90
  text "LED" at 47.075,83.575 h1.5 r90
  text "+48V" at 21.783,83.525 h1.5 r90
  text "STCP" at 28.425,82.017 h1.5
  text "DS" at 35.35,81.117 h1.5
  text "GND" at 37.65,81.117 h1.5
  text "+5V" at 42.033,79.65 h1.5 r90
  text "GND" at 90.583,78.95 h1.5 r90
  text "GND" at 14.258,78.925 h1.5 r90
  text "GND" at 19.408,78.925 h1.5 r90
  text "+48V" at 11.633,78.65 h1.5 r90
  text "+48V" at 16.683,78.65 h1.5 r90
  text "SHCP" at 44.683,78.375 h1.5 r90
  text "TP_IRQ" at 93.034,77.1 h1.5 r90
  text "LCD_D1" at 62.659,76.8 h1.5 r90
  text "LCD_D9" at 72.834,76.75 h1.5 r90
  text "TP_SCK" at 95.684,76.7 h1.5 r90
  text "LCD_RS" at 83.009,76.55 h1.5 r90
  text "LCD_RD" at 85.459,76.55 h1.5 r90
  text "RZ" at 110.528,76.497 h4 r45
  text "LCD_D15" at 80.384,76.15 h1.5 r90
  text "LCD_D11" at 75.384,76.125 h1.5 r90
  text "LCD_D13" at 77.859,76.125 h1.5 r90
  text "GND_IN" at 14.5,74.116 h1.5
  text "+48_IN" at 5.275,73.766 h1.5
  text "+3.3V" at -5.6,72.742 h1.5
  text "GND" at 3.7,72.717 h1.5
  text "NRST" at 97,72.625 h1
  text "GND_IN" at 4.625,71.366 h1.5
  text "+48_IN" at 14.525,71.041 h1.5
  text "SCLK" at -5.7,70.242 h1.5
  text "SDIO" at 3.725,70.117 h1.5
  text "+48_IN" at 5.325,68.866 h1.5
  text "GND_IN" at 14.525,68.566 h1.5
  text "SDIO" at -5.375,67.667 h1.5
  text "SCLK" at 3.775,67.592 h1.5
  text "GND_IN" at 4.65,66.291 h1.5
  text "+48_IN" at 14.5,66.041 h1.5
  text "GND" at -5.1,65.117 h1.5
  text "+3.3V" at 3.8,64.917 h1.5
  text "+5V_D" at 5.55,63.566 h1.5
  text "GND" at 14.464,63.528 h1.5
  text "SWD" at -0.25,62.575 h1
  text "GND" at 6.675,61.042 h1.5
  text "+5V_D" at 14.5,60.991 h1.5
  text "-5V_D" at 5.8,58.416 h1.5
  text "GND" at 14.489,58.378 h1.5
  text "-5V_D" at 14.475,55.941 h1.5
  text "GND" at 6.675,55.892 h1.5
  text "+3.3V" at 6.075,53.492 h1.5
  text "GND" at 14.464,53.353 h1.5
  text "GND" at 6.625,50.842 h1.5
  text "+5V_A" at 5.55,48.416 h1.5
  text "GNDA" at 5.75,45.767 h1.5
  text "BOOT0" at 73.225,44.8 h1
  text "PDR_ON" at 81.8,44.667 h1
  text "-5V_A" at 5.85,43.166 h1.5
  text "SWD" at 58.9,41.5 h1 r90
  text "-5V_A" at 14.45,40.691 h1.5
  text "GNDA" at 5.725,40.667 h1.5
  text "GND" at 61.375,38.225 h1 r90
  text "+3.3V_A" at 4.425,38.166 h1.5
  text "DEBUG" at 81.75,38.125 h1
  text "GNDA" at 14.475,38.067 h1.5
  text "SDIO" at 64.05,37.525 h1 r90
  text "3.3V" at 69.075,37.3 h1 r90
  text "+3.3V_A" at 14.05,36.441 h1.5
  text "SWCLK" at 66.55,36.425 h1 r90
  text "A" at -4.1,35.925 h1
  text "B" at 3.375,35.7 h1
  text "GNDA" at 5.725,35.592 h1.5
  text "TX" at 86.2,35.575 h1
  text "B" at -4.05,33.2 h1
  text "A" at 3.325,33.125 h1
  text "+5V" at 7.2,33.092 h1.5
  text "RX" at 86.325,33.075 h1
  text "GND" at 14.493,32.979 h1.5
  text "+5V" at 14.454,30.526 h1.5
  text "RS485_PC" at -3.975,30.467 h1
  text "GND" at 6.718,30.404 h1.5
  text "GND" at 86.125,29.875 h1
  text "-5V" at 7.484,27.935 h1.5
  text "GND" at 14.45,27.892 h1.5
  text "GND" at 6.675,25.317 h1.5
  text "-5V" at 14.534,25.31 h1.5
Bottom Overlay:
  lines w0.15: -0.55,34.45 -0.2,34.8 ; -0.525,35.525 0.3,34.7 ; 0.212,35.213 0.537,35.538 ; 0.5,70.6 0.85,70.6 ; 0.525,73.1 0.85,73.1 0.85,65.55 1.2,65.55 ; 0.85,68.05 1.175,68.05 ; 11.2,84.7 11.2,85.025 18.75,85.025 18.75,85.375 ; 13.675,85.05 13.675,85.4 ; 16.25,84.7 16.25,85.025 ; 33.95,84.65 33.95,84.975 44.05,84.975 44.05,85.275 ; 36.425,84.675 36.425,84.975 ; 39,84.65 39,85.35 ; 41.55,84.975 41.55,85.3
  lines w0.2: -6,15 ccw(c0,15) 0,9 ; -5.9,84.825 cw(c0.1,84.825) 0.1,90.825 ; -5,15 ccw(c0,15) 0,10 ; -4.9,84.825 cw(c0.1,84.825) 0.1,89.825 ; -4,15 ccw(c0,15) 0,11 ; -3.9,84.825 cw(c0.1,84.825) 0.1,88.825 ; 110,9 ccw(c110,15) 116,15 ; 110,10 ccw(c110,15) 115,15 ; 110,11 ccw(c110,15) 114,15 ; 110,89 cw(c110,85) 114,85 ; 110,90 cw(c110,85) 115,85 ; 110,91 cw(c110,85) 116,85
  lines w0.25: 20.8,67.2 20.8,69.325 ; 22.2,66.225 22.2,69.275 ; 23.675,67.1 23.675,69.325 ; 25.05,68 25.05,69.325 ; 78.75,65.2 82.475,65.2 ; 78.75,66.925 77.025,66.925 81.125,62.825 88.95,62.825 86.588,65.187 ; 80.325,69.075 80.325,71.4 84.875,66.85 84.875,59.075 82.475,61.475 ; 82.45,65.225 84.863,62.812 ; 82.475,62.825 82.475,61.475 ; 82.475,65.225 82.475,69.106 ; 84.913,65.187 86.575,65.187 86.575,69.075 78.75,69.075 78.75,61.475 82.475,61.475 ; 84.925,61.125 86.625,61.125 86.625,62.8
  text "SHCP" at 33.567,88.225 h1.5 r270
  text "DS" at 41.067,88.225 h1.5 r270
  text "STCP" at 43.642,88.225 h1.5 r270
  text "Not_Used" at 59.141,88.2 h1.5 r270
  text "LCD_D6" at 69.466,88.15 h1.5 r270
  text "NRST" at 87.117,88.15 h1.5 r270
  text "LCD_D2" at 64.266,88.125 h1.5 r270
  text "LCD_D4" at 66.766,88.125 h1.5 r270
  text "LCD_D8" at 71.866,88.125 h1.5 r270
  text "LCD_D10" at 74.441,88.125 h1.5 r270
  text "LCD_D12" at 76.941,88.125 h1.5 r270
  text "LCD_D14" at 79.491,88.125 h1.5 r270
  text "LCD_CS" at 82.091,88.125 h1.5 r270
  text "+3.3V" at 89.742,88.125 h1.5 r270
  text "+3.3V" at 92.192,88.125 h1.5 r270
  text "LCD_D0" at 61.841,88.1 h1.5 r270
  text "+3.3V" at 99.867,88.1 h1.5 r270
  text "LCD_WR" at 84.541,88.075 h1.5 r270
  text "GND" at 40.425,88.042 h1.5
  text "TP_CS" at 94.766,88.05 h1.5 r270
  text "TP_MOSI" at 97.316,88.05 h1.5 r270
  text "+5V" at 35.992,87.65 h1.5 r270
  text "GND" at 10.749,87.471 h1.5 r270
  text "+48V" at 13.167,87.45 h1.5 r270
  text "GND" at 15.749,87.446 h1.5 r270
  text "+48V" at 18.167,87.425 h1.5 r270
  text "LED" at 45.375,83.95 h1.5 r270
  text "LCD" at 102.592,83.7 h1.5 r270
  text "+48V" at 20.142,83.425 h1.5 r270
  text "STCP" at 31.975,83.292 h1.5
  text "DS" at 37.025,81.117 h1.5
  text "GND" at 40.5,81.117 h1.5
  text "GND" at 99.867,79.8 h1.5 r270
  text "+5V" at 41.092,79.65 h1.5 r270
  text "GND" at 13.242,79.6 h1.5 r270
  text "GND" at 18.367,79.6 h1.5 r270
  text "GND" at 89.692,79.475 h1.5 r270
  text "GND" at 59.292,79.375 h1.5 r270
  text "+48V" at 10.642,79.35 h1.5 r270
  text "+48V" at 15.667,79.35 h1.5 r270
  text "SHCP" at 43.717,78.375 h1.5 r270
  text "TP_IRQ" at 92.166,77.625 h1.5 r270
  text "LCD_D1" at 61.841,77.525 h1.5 r270
  text "LCD_D5" at 66.866,77.375 h1.5 r270
  text "LCD_RS" at 82.091,77.275 h1.5 r270
  text "TP_SCK" at 94.791,77.25 h1.5 r270
  text "LCD_RD" at 84.641,77.2 h1.5 r270
  text "LCD_D15" at 79.516,76.7 h1.5 r270
  text "LCD_D13" at 77.016,76.6 h1.5 r270
  text "SWD" at 2.175,75.267 h1.5
  text "NRST" at 100.625,73.2 h1
  text "+3.3V" at -2.15,72.742 h1.5
  text "GND" at 6.825,72.717 h1.5
  text "RZ" at 80.003,72.147 h4 r45
  text "SCLK" at -2.3,70.242 h1.5
  text "SDIO" at 7.25,70.117 h1.5
  text "SDIO" at -2.275,67.667 h1.5
  text "SCLK" at 7.55,67.617 h1.5
  text "+3.3V" at 7.625,65.192 h1.5
  text "GND" at -2.3,65.117 h1.5
  text "CLK" at 65.625,45.125 h1 r270
  text "3.3V" at 68.175,45.05 h1 r270
  text "SDIO" at 62.975,44.9 h1 r270
  text "GND" at 60.375,44.875 h1 r270
  text "BOOT0" at 77.825,44.75 h1
  text "PDR_ON" at 88.275,44.467 h1
  text "SWD" at 57.85,41.925 h1 r270
  text "DEBUG" at 86.425,38.125 h1
  text "A" at -3.425,35.925 h1
  text "B" at 4.05,35.7 h1
  text "TX" at 82.375,35.425 h1
  text "B" at -3.4,33.2 h1
  text "A" at 4,33.125 h1
  text "RX" at 82.325,33.05 h1
  text "GND" at 82.225,30.675 h1
  text "SYSTEM TESTING DEVICES" at 47.15,5.683 h3
  text "NPC RADAR SERVICE" at 94.475,5.583 h3
  text "v.2023.03.06" at 38.25,2.883 h3
  text "SYS UPR TEST UU" at 92.55,2.558 h3
Mechanical 2:
  text "o" at 110.354,41.154 h1
  text "o" at 71.954,30.054 h1
  text "+" at 95.854,27.8 h1
  text "o" at 96.254,18.354 h1
  text "o" at 87.954,18.254 h1
  text "+" at 100.854,17.3 h1
  text "+" at 2.454,13 h1
  text "o" at 7.254,1.554 h1
  text "+" at 34.085,1.504 h1
  text "+" at -4.115,1.004 h1

## Text inside footprints (layer, text, board x,y; h text height)
VD1: Mechanical 3 "+" at 101.725,17.566 h1
VD2: Mechanical 3 "+" at 101.75,22.171 h1
VD3: Mechanical 3 "+" at -10.3,70.2 h1
VD4: Mechanical 3 "+" at -10.275,65.596 h1
VD5: Mechanical 3 "+" at -7.925,75.604 h1 r180
VD7: Mechanical 3 "+" at 22.6,60.916 h1 r270
VD8: Mechanical 3 "+" at 54.1,53.508 h1 r90
VD9: Mechanical 3 "+" at 59.879,18.846 h1 r180
VD10: Mechanical 3 "+" at 52.075,32.575 h1
VD11: Mechanical 3 "+" at 39.729,51.109 h1 r90
VD12: Mechanical 3 "+" at 41.129,32.854 h1 r90
VD13: Mechanical 3 "+" at 19.7,18.9 h1
VD14: Mechanical 3 "+" at 2.15,51.425 h1 r270
VD15: Mechanical 3 "+" at 10.125,18.7 h1
VD16: Mechanical 3 "+" at -6.425,51.275 h1 r270